# KiCad board fmc_memory_adapter.kicad_pcb
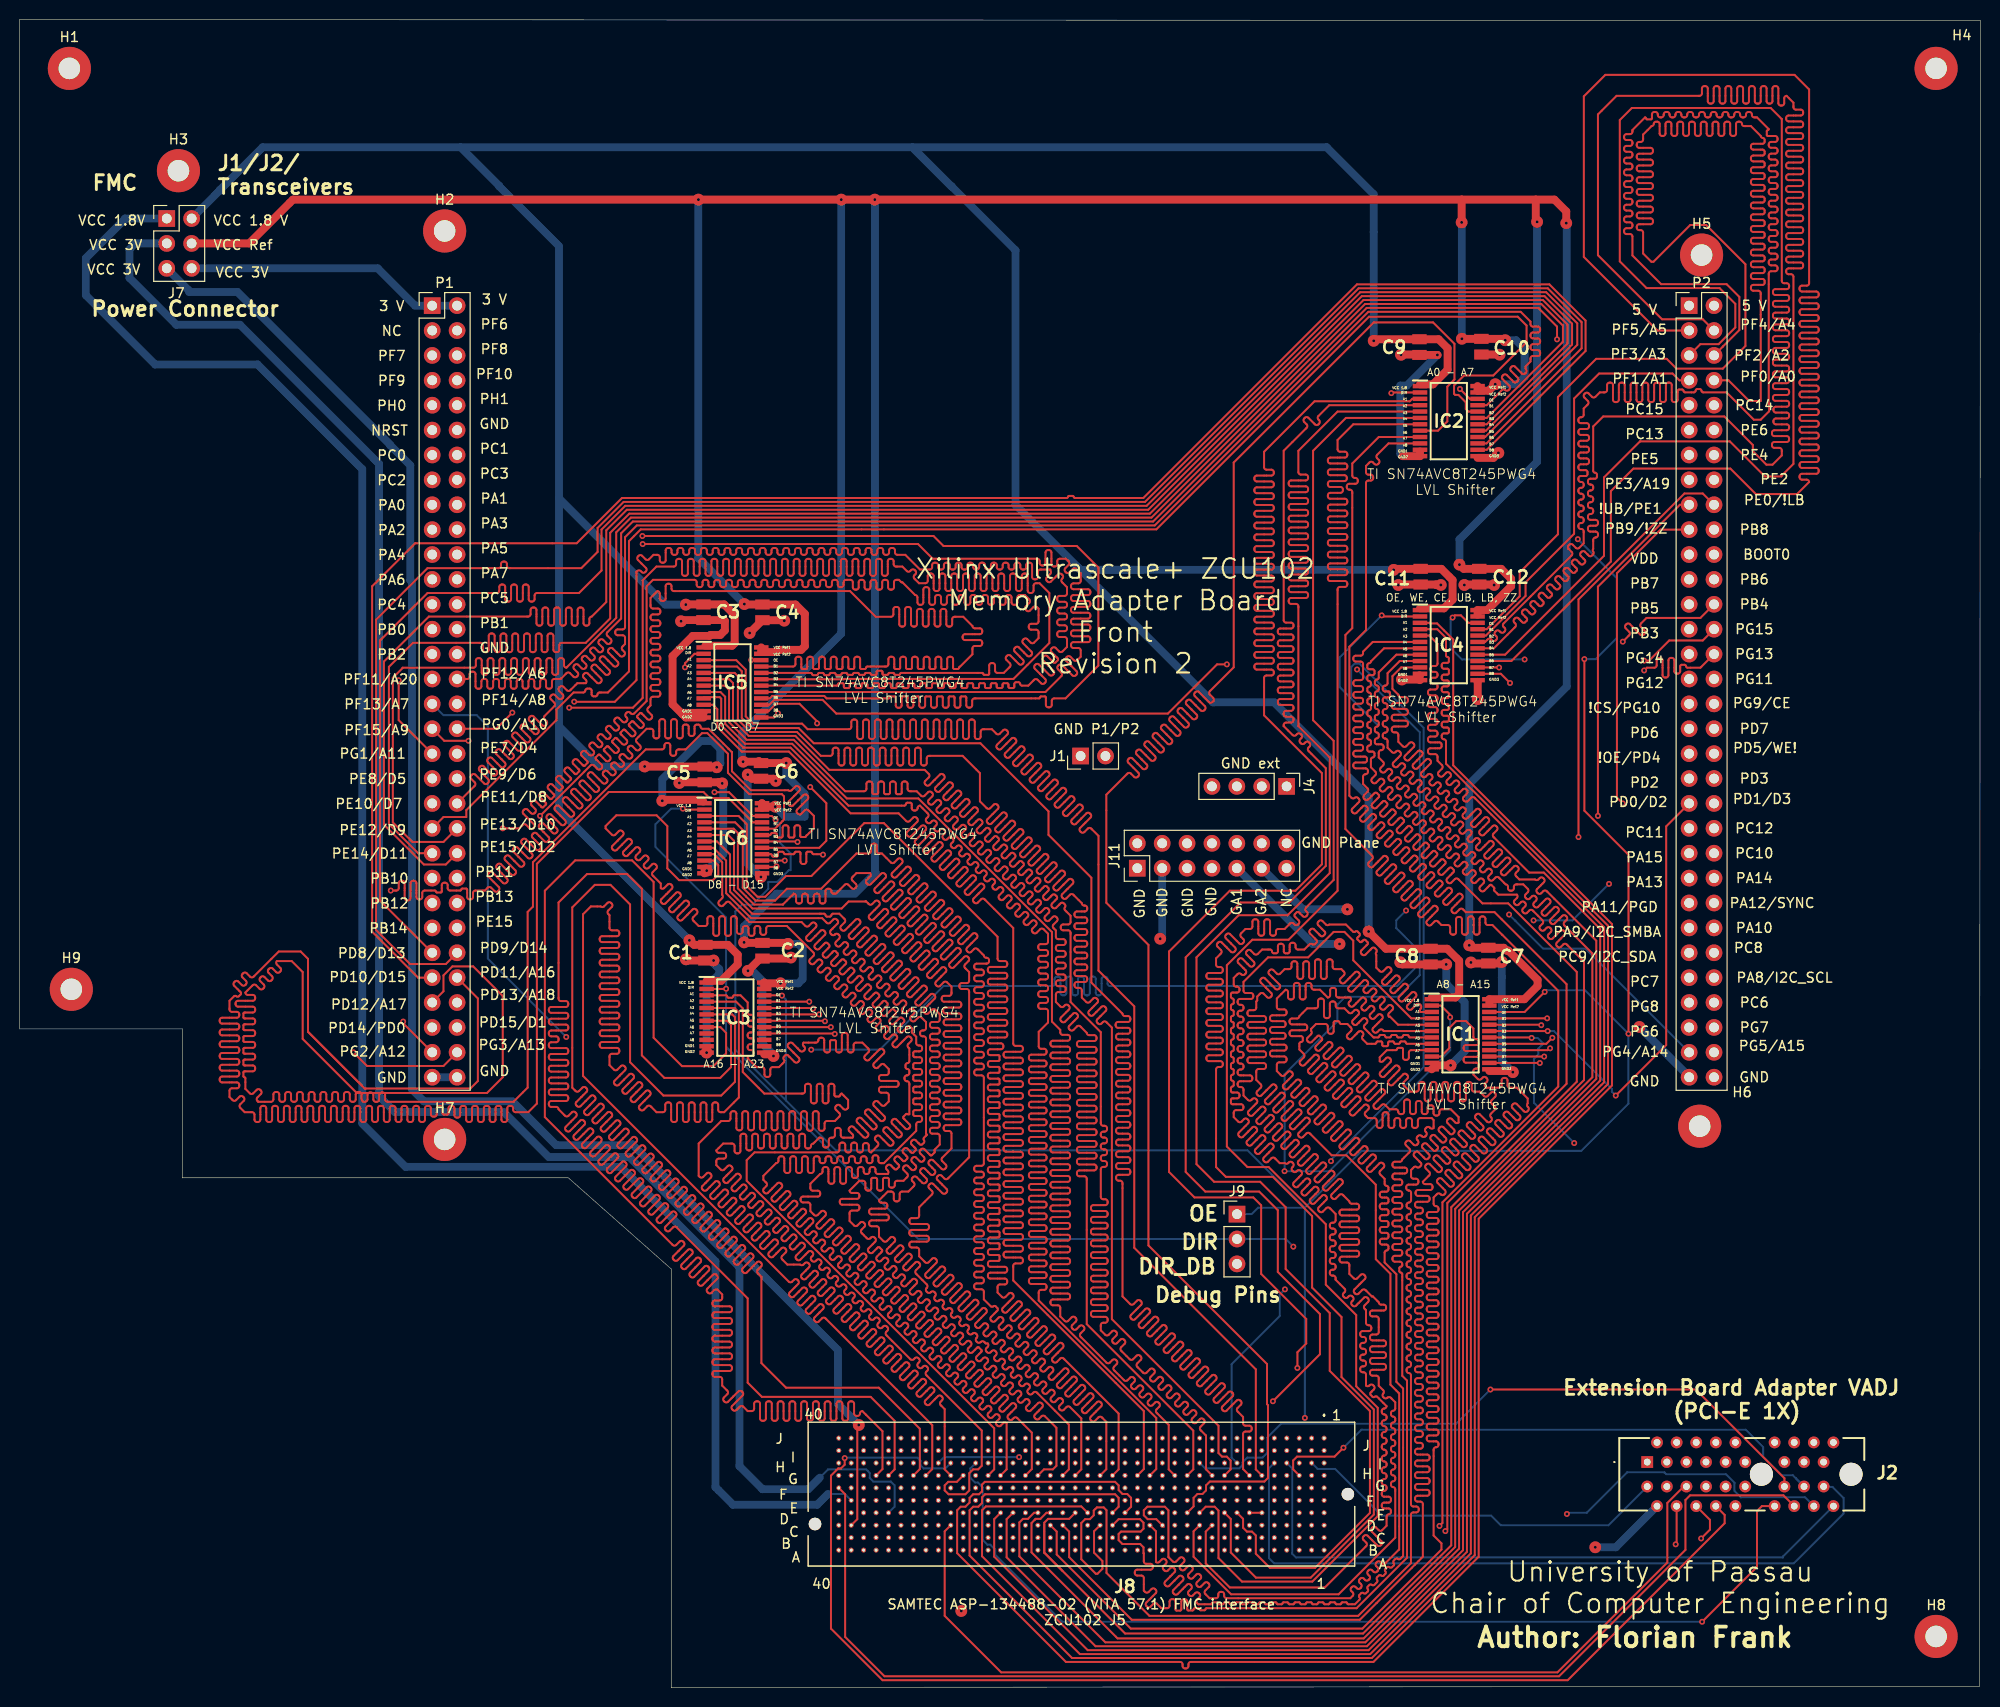
[diagram p0: board, top side]
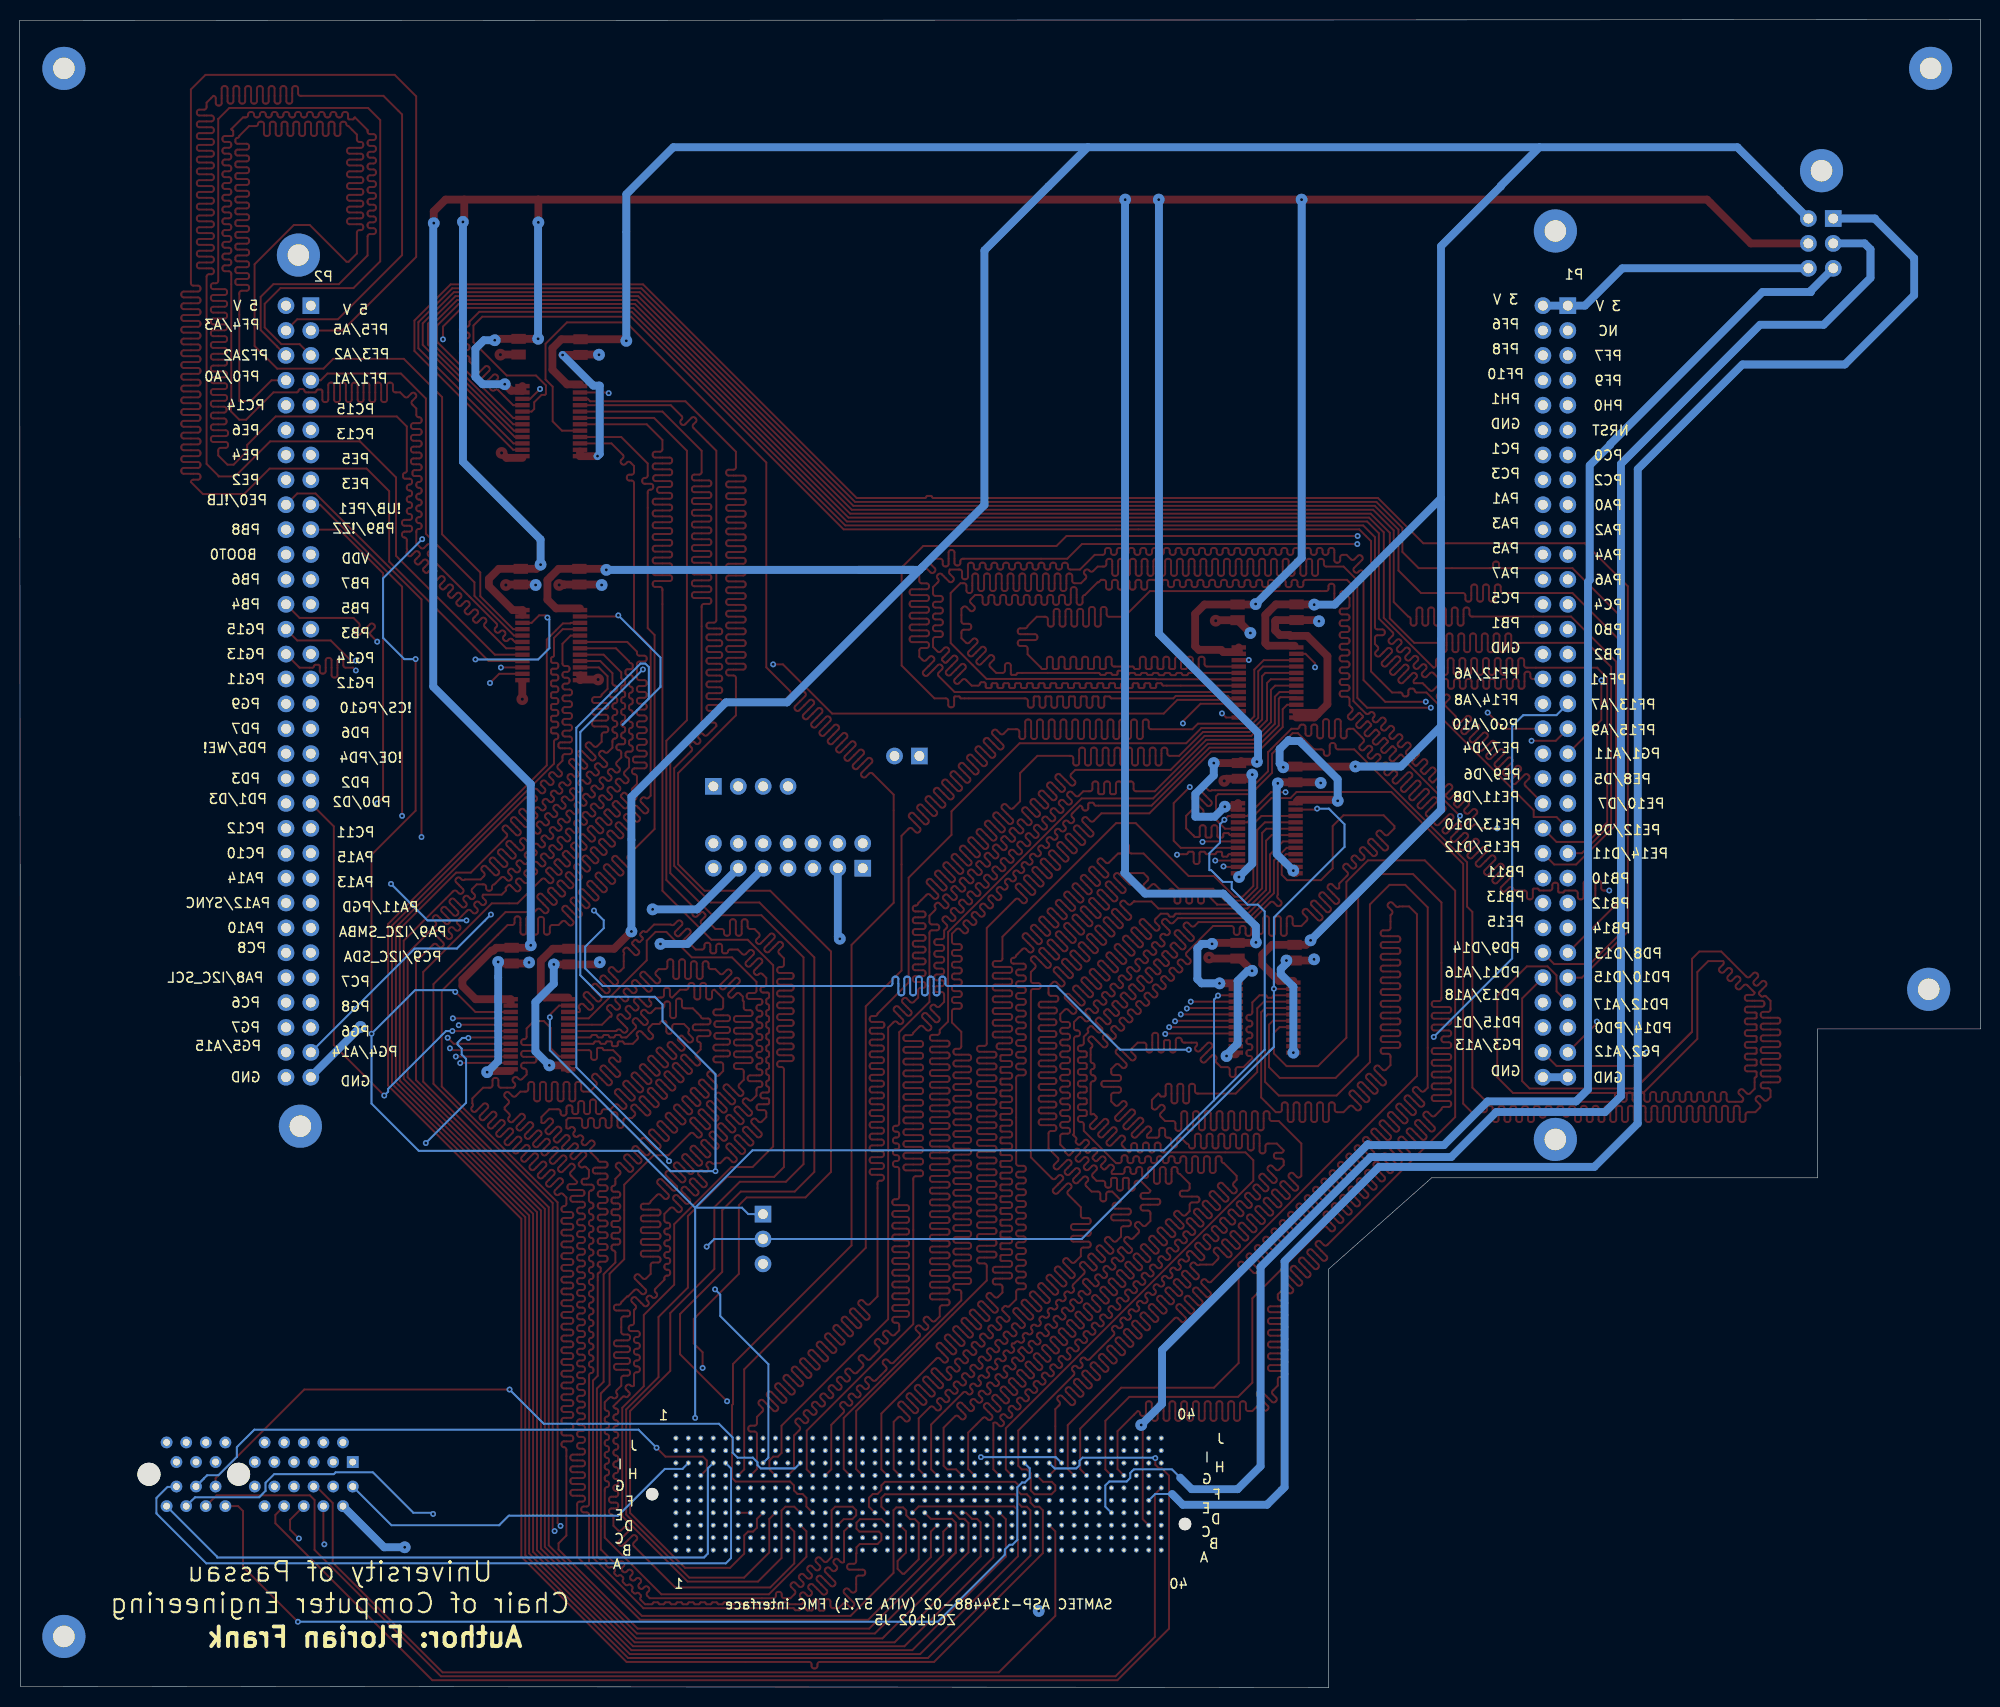
[diagram p1: board, bottom side, seen from below]

Outline 200.1 x 170.2 mm; copper layers: Top, In1.Cu, In2.Cu, Bottom. Coordinates in mm from the lower left corner of the outline.
Outline path: 0,170.2 0.1,170.2 200.1,170.1 200,0.1 66.5,0 66.5,42.7 56,52 16.6,52 16.6,67.2 0,67.2 0,170.2
Stack: Top 0.035mm / dielectric 0.1mm FR4 er 4.5 / In1.Cu 0.035mm / dielectric 1.24mm FR4 er 4.5 / In2.Cu 0.035mm / dielectric 0.1mm FR4 er 4.5 / Bottom 0.035mm

## Placement (name value [footprint] x y rotation side)
C1  C0805C104K5RAC7411  [CAPC2012X88N]  69.99 74.98 90 top
C2  C0805C104K5RAC7411  [CAPC2012X88N]  75.81 75.18 90 top
C3  C0805C104K5RAC7411  [CAPC2012X88N]  69.79 109.72 270 top
C4  C0805C104K5RAC7411  [CAPC2012X88N]  75.81 109.71 270 top
C5  C0805C104K5RAC7411  [CAPC2012X88N]  69.92 93.17 90 top
C6  C0805C104K5RAC7411  [CAPC2012X88N]  75.66 93.53 90 top
C7  C0805C104K5RAC7411  [CAPC2012X88N]  149.89 74.68 90 top
C8  C0805C104K5RAC7411  [CAPC2012X88N]  143.99 74.58 90 top
C9  C0805C104K5RAC7411  [CAPC2012X88N]  142.86 136.78 90 top
C10  C0805C104K5RAC7411  [CAPC2012X88N]  149.18 136.82 90 top
C11  C0805C104K5RAC7411  [CAPC2012X88N]  142.98 113.35 90 top
C12  C0805C104K5RAC7411  [CAPC2012X88N]  148.96 113.35 90 top
H1  MountingHole  [MountingHole_2.2mm_M2_Pad_TopBottom]  5.08 165.22 0 top
H2  MountingHole  [MountingHole_2.2mm_M2_Pad_TopBottom]  43.38 148.63 0 top
H3  MountingHole  [MountingHole_2.2mm_M2_Pad_TopBottom]  16.21 154.78 0 top
H4  MountingHole  [MountingHole_2.2mm_M2_Pad_TopBottom]  195.58 165.22 0 top
H5  MountingHole  [MountingHole_2.2mm_M2_Pad_TopBottom]  171.65 146.17 0 top
H6  MountingHole  [MountingHole_2.2mm_M2_Pad_TopBottom]  171.45 57.27 0 top
H7  MountingHole  [MountingHole_2.2mm_M2_Pad_TopBottom]  43.38 55.92 0 top
H8  MountingHole  [MountingHole_2.2mm_M2_Pad_TopBottom]  195.58 5.2 0 top
H9  MountingHole  [MountingHole_2.2mm_M2_Pad_TopBottom]  5.28 71.24 0 top
IC1  SN74AVC8T245PWG4  [SOP65P640X120-24N]  147.05 66.65 0 top
IC2  SN74AVC8T245PWG4  [SOP65P640X120-24N]  145.85 129.22 0 top
IC3  SN74AVC8T245PWG4  [SOP65P640X120-24N]  73.05 68.35 0 top
IC4  SN74AVC8T245PWG4  [SOP65P640X120-24N]  145.85 106.36 0 top
IC5  SN74AVC8T245PWG4  [SOP65P640X120-24N]  72.75 102.55 0 top
IC6  SN74AVC8T245PWG4  [SOP65P640X120-24N]  72.82 86.65 0 top
J1  GND_Jumper1  [PinHeader_1x02_P2.54mm_Vertical]  108.27 95.05 90 top
J2  PCI-E Extension/Debug Socket  [PCIE_1001878310010TLF]  166.1 23 0 top
J4  Conn_01x04_Pin  [PinHeader_1x04_P2.54mm_Vertical]  129.3 91.95 270 top
J7  Conn_02x03_Odd_Even  [PinHeader_2x03_P2.54mm_Vertical]  15.02 149.9 0 top
J8  ASP-134488-02  [ASP13448802]  108.36 19.72 0 top
J9  Conn_01x03  [PinHeader_1x03_P2.54mm_Vertical]  124.24 48.3 0 top
J11  Conn_02x07_Odd_Even  [PinHeader_2x07_P2.54mm_Vertical]  114.06 83.6 90 top
P1  CONN_02X32_DISCO1_LEFT_BACK  [PinHeader_2x32_P2.54mm_Vertical]  42.11 141.01 0 top
P2  CONN_02X32_DISCO1_RIGHT_BACK  [PinHeader_2x32_P2.54mm_Vertical]  170.38 141.01 0 top

## Library data of the parts
C1-C12 = -: Datasheet: https://www.mouser.com/datasheet/2/212/KEM_C1002_X7R_SMD-1102033.pdf; Description: Cap Ceramic 0.1uF 50V X7R 10% Pad SMD 0805 125C T/R; Height: 0.88; Manufacturer_Name: KEMET; Mouser Part Number: 80-C0805C104K5RACLR; Mouser Price/Stock: https://www.mouser.co.uk/ProductDetail/KEMET/C0805C104K5RAC7411?qs=jbRM9o5BbzPcVXF0wW9AYg%3D%3D; Arrow Price/Stock: https://www.arrow.com/en/products/c0805c104k5rac7411/kemet-corporation
H1-H9 = -: Description: Mounting Hole without connection; ki_fp_filters: MountingHole*
IC1-IC6 = -: Datasheet: https://www.ti.com/general/docs/suppproductinfo.tsp?distId=26&gotoUrl=http%253A%252F%252Fwww.ti.com%252Flit%252Fgpn%252Fsn74avc8t245; Description: Translation - Voltage Levels 8B Dual Supply Bus Trancvr; Height: 1.2; Manufacturer_Name: Texas Instruments; Mouser Part Number: 595-SN74AVC8T245PWG4; Mouser Price/Stock: https://www.mouser.co.uk/ProductDetail/Texas-Instruments/SN74AVC8T245PWG4?qs=Yg0HTW50OtDN8IadB9TEVw%3D%3D; Arrow Price/Stock: https://www.arrow.com/en/products/sn74avc8t245pwg4/texas-instruments
J1 = -: Description: Generic connector, double row, 02x01, this symbol is compatible with counter-clockwise, top-bottom and odd-even numbering schemes., script generated (kicad-library-utils/schlib/autogen/connector/); ki_fp_filters: Connector*:*_2x??_*
J4 = -: Description: Generic connector, single row, 01x04, script generated; ki_fp_filters: Connector*:*_1x??_*
J7 = -: Description: Generic connector, double row, 02x03, odd/even pin numbering scheme (row 1 odd numbers, row 2 even numbers), script generated (kicad-library-utils/schlib/autogen/connector/); ki_fp_filters: Connector*:*_2x??_*
J8 = -: Datasheet: http://suddendocs.samtec.com/prints/asp-134488-02-mkt.pdf; Description: Board to Board & Mezzanine Connectors; Height: 7.11; Manufacturer_Name: SAMTEC; Mouser Part Number: 200-ASP-134488-02; Mouser Price/Stock: https://www.mouser.co.uk/ProductDetail/Samtec/ASP-134488-02?qs=vLWxofP3U2yWlthzN6h9gg%3D%3D; Arrow Price/Stock: https://www.arrow.com/en/products/asp-134488-02/samtec?region=nac
J9 = -: Description: Generic connector, single row, 01x03, script generated (kicad-library-utils/schlib/autogen/connector/); ki_fp_filters: Connector*:*_1x??_*
J11 = -: Description: Generic connector, double row, 02x07, odd/even pin numbering scheme (row 1 odd numbers, row 2 even numbers), script generated (kicad-library-utils/schlib/autogen/connector/); ki_fp_filters: Connector*:*_2x??_*
P1 P2 = -: ki_fp_filters: Pin_Header_Straight_2X32 Pin_Header_Angled_2X32 Socket_Strip_Straight_2X32 Socket_Strip_Angled_2X32

## Footprints (pads in the part's own frame, mm; a bottom-side part is the same pattern mirrored in y, then rotated)
ASP13448802
  round 1.27 hole 1.27 unplated: (-27.19,-3.05) (27.19,0)
  round 0.5 hole 0.3: A1(24.765,-5.715) A2(23.495,-5.715) A3(22.225,-5.715) A4(20.955,-5.715) A5(19.685,-5.715) A6(18.415,-5.715) A7(17.145,-5.715) A8(15.875,-5.715) A9(14.605,-5.715) A10(13.335,-5.715) A11(12.065,-5.715) A12(10.795,-5.715) A13(9.525,-5.715) A14(8.255,-5.715) A15(6.985,-5.715) A16(5.715,-5.715) A17(4.445,-5.715) A18(3.175,-5.715) A19(1.905,-5.715) A20(0.635,-5.715) A21(-0.635,-5.715) A22(-1.905,-5.715) A23(-3.175,-5.715) A24(-4.445,-5.715) A25(-5.715,-5.715) A26(-6.985,-5.715) A27(-8.255,-5.715) A28(-9.525,-5.715) A29(-10.795,-5.715) A30(-12.065,-5.715) A31(-13.335,-5.715) A32(-14.605,-5.715) A33(-15.875,-5.715) A34(-17.145,-5.715) A35(-18.415,-5.715) A36(-19.685,-5.715) A37(-20.955,-5.715) A38(-22.225,-5.715) A39(-23.495,-5.715) A40(-24.765,-5.715) B1(24.765,-4.445) B2(23.495,-4.445) B3(22.225,-4.445) B4(20.955,-4.445) B5(19.685,-4.445) B6(18.415,-4.445) B7(17.145,-4.445) B8(15.875,-4.445) B9(14.605,-4.445) B10(13.335,-4.445) B11(12.065,-4.445) B12(10.795,-4.445) B13(9.525,-4.445) B14(8.255,-4.445) B15(6.985,-4.445) B16(5.715,-4.445) B17(4.445,-4.445) B18(3.175,-4.445) B19(1.905,-4.445) B20(0.635,-4.445) B21(-0.635,-4.445) B22(-1.905,-4.445) B23(-3.175,-4.445) B24(-4.445,-4.445) B25(-5.715,-4.445) B26(-6.985,-4.445) B27(-8.255,-4.445) B28(-9.525,-4.445) B29(-10.795,-4.445) B30(-12.065,-4.445) B31(-13.335,-4.445) B32(-14.605,-4.445) B33(-15.875,-4.445) B34(-17.145,-4.445) B35(-18.415,-4.445) B36(-19.685,-4.445) B37(-20.955,-4.445) B38(-22.225,-4.445) B39(-23.495,-4.445) B40(-24.765,-4.445) C1(24.765,-3.175) C2(23.495,-3.175) C3(22.225,-3.175) C4(20.955,-3.175) C5(19.685,-3.175) C6(18.415,-3.175) C7(17.145,-3.175) C8(15.875,-3.175) C9(14.605,-3.175) C10(13.335,-3.175) C11(12.065,-3.175) C12(10.795,-3.175) C13(9.525,-3.175) C14(8.255,-3.175) C15(6.985,-3.175) C16(5.715,-3.175) C17(4.445,-3.175) C18(3.175,-3.175) C19(1.905,-3.175) C20(0.635,-3.175) C21(-0.635,-3.175) C22(-1.905,-3.175) C23(-3.175,-3.175) C24(-4.445,-3.175) C25(-5.715,-3.175) C26(-6.985,-3.175) C27(-8.255,-3.175) C28(-9.525,-3.175) C29(-10.795,-3.175) C30(-12.065,-3.175) C31(-13.335,-3.175) C32(-14.605,-3.175) C33(-15.875,-3.175) C34(-17.145,-3.175) C35(-18.415,-3.175) C36(-19.685,-3.175) C37(-20.955,-3.175) C38(-22.225,-3.175) C39(-23.495,-3.175) C40(-24.765,-3.175) D1(24.765,-1.905) D2(23.495,-1.905) D3(22.225,-1.905) D4(20.955,-1.905) D5(19.685,-1.905) D6(18.415,-1.905) D7(17.145,-1.905) D8(15.875,-1.905) D9(14.605,-1.905) D10(13.335,-1.905) D11(12.065,-1.905) D12(10.795,-1.905) D13(9.525,-1.905) D14(8.255,-1.905) D15(6.985,-1.905) D16(5.715,-1.905) D17(4.445,-1.905) D18(3.175,-1.905) D19(1.905,-1.905) D20(0.635,-1.905) D21(-0.635,-1.905) D22(-1.905,-1.905) D23(-3.175,-1.905) D24(-4.445,-1.905) D25(-5.715,-1.905) D26(-6.985,-1.905) D27(-8.255,-1.905) D28(-9.525,-1.905) D29(-10.795,-1.905) D30(-12.065,-1.905) D31(-13.335,-1.905) D32(-14.605,-1.905) D33(-15.875,-1.905) D34(-17.145,-1.905) D35(-18.415,-1.905) D36(-19.685,-1.905) D37(-20.955,-1.905) D38(-22.225,-1.905) D39(-23.495,-1.905) D40(-24.765,-1.905) E1(24.765,-0.635) E2(23.495,-0.635) E3(22.225,-0.635) E4(20.955,-0.635) E5(19.685,-0.635) E6(18.415,-0.635) E7(17.145,-0.635) E8(15.875,-0.635) E9(14.605,-0.635) E10(13.335,-0.635) E11(12.065,-0.635) E12(10.795,-0.635) E13(9.525,-0.635) E14(8.255,-0.635) E15(6.985,-0.635) E16(5.715,-0.635) E17(4.445,-0.635) E18(3.175,-0.635) E19(1.905,-0.635) E20(0.635,-0.635) E21(-0.635,-0.635) E22(-1.905,-0.635) E23(-3.175,-0.635) E24(-4.445,-0.635) E25(-5.715,-0.635) E26(-6.985,-0.635) E27(-8.255,-0.635) E28(-9.525,-0.635) E29(-10.795,-0.635) E30(-12.065,-0.635) E31(-13.335,-0.635) E32(-14.605,-0.635) E33(-15.875,-0.635) E34(-17.145,-0.635) E35(-18.415,-0.635) E36(-19.685,-0.635) E37(-20.955,-0.635) E38(-22.225,-0.635) E39(-23.495,-0.635) E40(-24.765,-0.635) F1(24.765,0.635) F2(23.495,0.635) F3(22.225,0.635) F4(20.955,0.635) F5(19.685,0.635) F6(18.415,0.635) F7(17.145,0.635) F8(15.875,0.635) F9(14.605,0.635) F10(13.335,0.635) F11(12.065,0.635) F12(10.795,0.635) F13(9.525,0.635) F14(8.255,0.635) F15(6.985,0.635) F16(5.715,0.635) F17(4.445,0.635) F18(3.175,0.635) F19(1.905,0.635) F20(0.635,0.635) F21(-0.635,0.635) F22(-1.905,0.635) F23(-3.175,0.635) F24(-4.445,0.635) F25(-5.715,0.635) F26(-6.985,0.635) F27(-8.255,0.635) F28(-9.525,0.635) F29(-10.795,0.635) F30(-12.065,0.635) F31(-13.335,0.635) F32(-14.605,0.635) F33(-15.875,0.635) F34(-17.145,0.635) F35(-18.415,0.635) F36(-19.685,0.635) F37(-20.955,0.635) F38(-22.225,0.635) F39(-23.495,0.635) F40(-24.765,0.635) G1(24.765,1.905) G2(23.495,1.905) G3(22.225,1.905) G4(20.955,1.905) G5(19.685,1.905) G6(18.415,1.905) G7(17.145,1.905) G8(15.875,1.905) G9(14.605,1.905) G10(13.335,1.905) G11(12.065,1.905) G12(10.795,1.905) G13(9.525,1.905) G14(8.255,1.905) G15(6.985,1.905) G16(5.715,1.905) G17(4.445,1.905) G18(3.175,1.905) G19(1.905,1.905) G20(0.635,1.905) G21(-0.635,1.905) G22(-1.905,1.905) G23(-3.175,1.905) G24(-4.445,1.905) G25(-5.715,1.905) G26(-6.985,1.905) G27(-8.255,1.905) G28(-9.525,1.905) G29(-10.795,1.905) G30(-12.065,1.905) G31(-13.335,1.905) G32(-14.605,1.905) G33(-15.875,1.905) G34(-17.145,1.905) G35(-18.415,1.905) G36(-19.685,1.905) G37(-20.955,1.905) G38(-22.225,1.905) G39(-23.495,1.905) G40(-24.765,1.905) H1(24.765,3.175) H2(23.495,3.175) H3(22.225,3.175) H4(20.955,3.175) H5(19.685,3.175) H6(18.415,3.175) H7(17.145,3.175) H8(15.875,3.175) H9(14.605,3.175) H10(13.335,3.175) H11(12.065,3.175) H12(10.795,3.175) H13(9.525,3.175) H14(8.255,3.175) H15(6.985,3.175) H16(5.715,3.175) H17(4.445,3.175) H18(3.175,3.175) H19(1.905,3.175) H20(0.635,3.175) H21(-0.635,3.175) H22(-1.905,3.175) H23(-3.175,3.175) H24(-4.445,3.175) H25(-5.715,3.175) H26(-6.985,3.175) H27(-8.255,3.175) H28(-9.525,3.175) H29(-10.795,3.175) H30(-12.065,3.175) H31(-13.335,3.175) H32(-14.605,3.175) H33(-15.875,3.175) H34(-17.145,3.175) H35(-18.415,3.175) H36(-19.685,3.175) H37(-20.955,3.175) H38(-22.225,3.175) H39(-23.495,3.175) H40(-24.765,3.175) J1(24.765,4.445) J2(23.495,4.445) J3(22.225,4.445) J4(20.955,4.445) J5(19.685,4.445) J6(18.415,4.445) J7(17.145,4.445) J8(15.875,4.445) J9(14.605,4.445) J10(13.335,4.445) J11(12.065,4.445) J12(10.795,4.445) J13(9.525,4.445) J14(8.255,4.445) J15(6.985,4.445) J16(5.715,4.445) J17(4.445,4.445) J18(3.175,4.445) J19(1.905,4.445) J20(0.635,4.445) J21(-0.635,4.445) J22(-1.905,4.445) J23(-3.175,4.445) J24(-4.445,4.445) J25(-5.715,4.445) J26(-6.985,4.445) J27(-8.255,4.445) J28(-9.525,4.445) J29(-10.795,4.445) J30(-12.065,4.445) J31(-13.335,4.445) J32(-14.605,4.445) J33(-15.875,4.445) J34(-17.145,4.445) J35(-18.415,4.445) J36(-19.685,4.445) J37(-20.955,4.445) J38(-22.225,4.445) J39(-23.495,4.445) J40(-24.765,4.445) K1(24.765,5.715) K2(23.495,5.715) K3(22.225,5.715) K4(20.955,5.715) K5(19.685,5.715) K6(18.415,5.715) K7(17.145,5.715) K8(15.875,5.715) K9(14.605,5.715) K10(13.335,5.715) K11(12.065,5.715) K12(10.795,5.715) K13(9.525,5.715) K14(8.255,5.715) K15(6.985,5.715) K16(5.715,5.715) K17(4.445,5.715) K18(3.175,5.715) K19(1.905,5.715) K20(0.635,5.715) K21(-0.635,5.715) K22(-1.905,5.715) K23(-3.175,5.715) K24(-4.445,5.715) K25(-5.715,5.715) K26(-6.985,5.715) K27(-8.255,5.715) K28(-9.525,5.715) K29(-10.795,5.715) K30(-12.065,5.715) K31(-13.335,5.715) K32(-14.605,5.715) K33(-15.875,5.715) K34(-17.145,5.715) K35(-18.415,5.715) K36(-19.685,5.715) K37(-20.955,5.715) K38(-22.225,5.715) K39(-23.495,5.715) K40(-24.765,5.715)
CAPC2012X88N
  rect 1.02x1.47 smd: 1(-0.8,0) 2(0.8,0)
MountingHole_2.2mm_M2_Pad_TopBottom
  round 2.6 hole 2.2: 1(0,0)
  round 4.4 smd: 1(0,0)
  round 4.4 smd far side: 1(0,0)
PCIE_1001878310010TLF
  round 2.35 hole 2.35 unplated: (11.65,-1.25) (20.8,-1.25)
  rect 1.2x1.2 hole 0.7: A1(0,0)
  round 1.2 hole 0.7: A2(1,2) A3(2,0) A4(3,2) A5(4,0) A6(5,2) A7(6,0) A8(7,2) A9(8,0) A10(9,2) A11(10,0) A12(13,2) A13(14,0) A14(15,2) A15(16,0) A16(17,2) A17(18,0) A18(19,2) B1(0,-2.5) B2(1,-4.5) B3(2,-2.5) B4(3,-4.5) B5(4,-2.5) B6(5,-4.5) B7(6,-2.5) B8(7,-4.5) B9(8,-2.5) B10(9,-4.5) B11(10,-2.5) B12(13,-4.5) B13(14,-2.5) B14(15,-4.5) B15(16,-2.5) B16(17,-4.5) B17(18,-2.5) B18(19,-4.5)
PinHeader_1x02_P2.54mm_Vertical
  rect 1.7x1.7 hole 1: 1(0,0)
  oval 1.7x1.7 hole 1: 2(0,-2.54)
PinHeader_1x03_P2.54mm_Vertical
  rect 1.7x1.7 hole 1: 1(0,0)
  oval 1.7x1.7 hole 1: 2(0,-2.54) 3(0,-5.08)
PinHeader_1x04_P2.54mm_Vertical
  rect 1.7x1.7 hole 1: 1(0,0)
  oval 1.7x1.7 hole 1: 2(0,-2.54) 3(0,-5.08) 4(0,-7.62)
PinHeader_2x03_P2.54mm_Vertical
  rect 1.7x1.7 hole 1: 1(0,0)
  oval 1.7x1.7 hole 1: 2(2.54,0) 3(0,-2.54) 4(2.54,-2.54) 5(0,-5.08) 6(2.54,-5.08)
PinHeader_2x07_P2.54mm_Vertical
  rect 1.7x1.7 hole 1: 1(0,0)
  oval 1.7x1.7 hole 1: 2(2.54,0) 3(0,-2.54) 4(2.54,-2.54) 5(0,-5.08) 6(2.54,-5.08) 7(0,-7.62) 8(2.54,-7.62) 9(0,-10.16) 10(2.54,-10.16) 11(0,-12.7) 12(2.54,-12.7) 13(0,-15.24) 14(2.54,-15.24)
PinHeader_2x32_P2.54mm_Vertical
  rect 1.7x1.7 hole 1: 1(0,0)
  oval 1.7x1.7 hole 1: 2(2.54,0) 3(0,-2.54) 4(2.54,-2.54) 5(0,-5.08) 6(2.54,-5.08) 7(0,-7.62) 8(2.54,-7.62) 9(0,-10.16) 10(2.54,-10.16) 11(0,-12.7) 12(2.54,-12.7) 13(0,-15.24) 14(2.54,-15.24) 15(0,-17.78) 16(2.54,-17.78) 17(0,-20.32) 18(2.54,-20.32) 19(0,-22.86) 20(2.54,-22.86) 21(0,-25.4) 22(2.54,-25.4) 23(0,-27.94) 24(2.54,-27.94) 25(0,-30.48) 26(2.54,-30.48) 27(0,-33.02) 28(2.54,-33.02) 29(0,-35.56) 30(2.54,-35.56) 31(0,-38.1) 32(2.54,-38.1) 33(0,-40.64) 34(2.54,-40.64) 35(0,-43.18) 36(2.54,-43.18) 37(0,-45.72) 38(2.54,-45.72) 39(0,-48.26) 40(2.54,-48.26) 41(0,-50.8) 42(2.54,-50.8) 43(0,-53.34) 44(2.54,-53.34) 45(0,-55.88) 46(2.54,-55.88) 47(0,-58.42) 48(2.54,-58.42) 49(0,-60.96) 50(2.54,-60.96) 51(0,-63.5) 52(2.54,-63.5) 53(0,-66.04) 54(2.54,-66.04) 55(0,-68.58) 56(2.54,-68.58) 57(0,-71.12) 58(2.54,-71.12) 59(0,-73.66) 60(2.54,-73.66) 61(0,-76.2) 62(2.54,-76.2) 63(0,-78.74) 64(2.54,-78.74)
SOP65P640X120-24N
  rect 1.475x0.45 smd: 1(-2.938,3.575) 2(-2.938,2.925) 3(-2.938,2.275) 4(-2.938,1.625) 5(-2.938,0.975) 6(-2.938,0.325) 7(-2.938,-0.325) 8(-2.938,-0.975) 9(-2.938,-1.625) 10(-2.938,-2.275) 11(-2.938,-2.925) 12(-2.938,-3.575) 13(2.938,-3.575) 14(2.938,-2.925) 15(2.938,-2.275) 16(2.938,-1.625) 17(2.938,-0.975) 18(2.938,-0.325) 19(2.938,0.325) 20(2.938,0.975) 21(2.938,1.625) 22(2.938,2.275) 23(2.938,2.925) 24(2.938,3.575)

## Nets
GND: C1.1 C2.1 C3.2 C4.2 C5.1 C6.1 C7.1 C8.1 C9.1 C10.1 C11.1 C12.1 IC1.11 IC1.12 IC1.13 IC2.11 IC2.12 IC2.13 IC3.11 IC3.12 IC3.13 IC4.11 IC4.12 IC4.13 IC5.11 IC5.12 IC5.13 IC6.11 IC6.12 IC6.13 J4.1 J4.2 J4.3 J4.4 J8.A12 J8.A13 J8.A16 J8.A17 J11.2 J11.4 J11.5 J11.6 J11.7 J11.8 J11.10 J11.12 J11.14
Net-(IC1-A1): IC1.3 J8.C10
Net-(IC1-A2): IC1.4 J8.C11
Net-(IC1-A3): IC1.5 J8.C14
Net-(IC1-A4): IC1.6 J8.C15
Net-(IC1-A5): IC1.7 J8.C18
Net-(IC1-A6): IC1.8 J8.C19
Net-(IC1-A7): IC1.9 J8.C22
Net-(IC1-A8): IC1.10 J8.C23
Net-(IC1-B1): IC1.21 P1.59
Net-(IC1-B2): IC1.20 P1.60
Net-(IC1-B3): IC1.19 P2.41
Net-(IC1-B4): IC1.18 P2.42
Net-(IC1-B5): IC1.17 P1.38
Net-(IC1-B6): IC1.16 P1.39
Net-(IC1-B7): IC1.15 P1.40
Net-(IC1-B8): IC1.14 P1.41
Net-(IC1-DIR): IC1.2 IC2.2 J8.H8 J9.3
Net-(IC1-VCCA): C1.2 C3.1 C5.2 C8.2 C9.2 C11.2 IC1.1 IC2.1 IC3.1 IC4.1 IC5.1 IC6.1 J7.2
Net-(IC1-VCCB_1): C2.2 C4.1 C6.2 C7.2 C10.2 C12.2 IC1.23 IC1.24 IC2.23 IC2.24 IC3.23 IC3.24 IC4.23 IC4.24 IC5.23 IC5.24 IC6.23 IC6.24 J7.4
Net-(IC1-~{OE}): IC1.22 IC2.22 IC3.22 IC4.22 IC5.22 IC6.22 J8.H7 J9.1
Net-(IC2-A1): IC2.3 J8.C26
Net-(IC2-A2): IC2.4 J8.C27
Net-(IC2-A3): IC2.5 J8.D8
Net-(IC2-A4): IC2.6 J8.D9
Net-(IC2-A5): IC2.7 J8.D11
Net-(IC2-A6): IC2.8 J8.D12
Net-(IC2-A7): IC2.9 J8.D14
Net-(IC2-A8): IC2.10 J8.D15
Net-(IC2-B1): IC2.21 P1.42
Net-(IC2-B2): IC2.20 P1.43
Net-(IC2-B3): IC2.19 P1.44
Net-(IC2-B4): IC2.18 P1.45
Net-(IC2-B5): IC2.17 P1.46
Net-(IC2-B6): IC2.16 P1.53
Net-(IC2-B7): IC2.15 P1.54
Net-(IC2-B8): IC2.14 P1.55
Net-(IC3-A1): IC3.3 J8.G30
Net-(IC3-A2): IC3.4 J8.G31
Net-(IC3-A3): IC3.5 J8.G33
Net-(IC3-A4): IC3.6 J8.G34
Net-(IC3-A5): IC3.7 J8.G36
Net-(IC3-A6): IC3.8 J8.G37
Net-(IC3-B1): IC3.21 P2.37
Net-(IC3-B2): IC3.20 P2.38
Net-(IC3-B3): IC3.19 P2.34
Net-(IC3-B4): IC3.18 P2.18
Net-(IC3-B5): IC3.17 P2.17
Net-(IC3-B6): IC3.16 P2.19
Net-(IC3-DIR): IC3.2 IC4.2 IC5.2 IC6.2 J8.H10 J9.2
Net-(IC4-A1): IC4.3 J8.D17
Net-(IC4-A2): IC4.4 J8.D18
Net-(IC4-A3): IC4.5 J8.D20
Net-(IC4-A4): IC4.6 J8.D21
Net-(IC4-A5): IC4.7 J8.D23
Net-(IC4-A6): IC4.8 J8.D24
Net-(IC4-A7): IC4.9 J8.D26
Net-(IC4-A8): IC4.10 J8.D27
Net-(IC4-B1): IC4.21 P2.8
Net-(IC4-B2): IC4.20 P2.7
Net-(IC4-B3): IC4.19 P2.6
Net-(IC4-B4): IC4.18 P2.5
Net-(IC4-B5): IC4.17 P2.4
Net-(IC4-B6): IC4.16 P2.3
Net-(IC4-B7): IC4.15 P1.32
Net-(IC4-B8): IC4.14 P1.33
Net-(IC5-A1): IC5.3 J8.G6
Net-(IC5-A2): IC5.4 J8.G7
Net-(IC5-A3): IC5.5 J8.G9
Net-(IC5-A4): IC5.6 J8.G10
Net-(IC5-A5): IC5.7 J8.G12
Net-(IC5-A6): IC5.8 J8.G13
Net-(IC5-A7): IC5.9 J8.G15
Net-(IC5-A8): IC5.10 J8.G16
Net-(IC5-B1): IC5.21 P1.34
Net-(IC5-B2): IC5.20 P1.35
Net-(IC5-B3): IC5.19 P1.36
Net-(IC5-B4): IC5.18 P1.37
Net-(IC5-B5): IC5.17 P1.61
Net-(IC5-B6): IC5.16 P1.62
Net-(IC5-B7): IC5.15 P2.61
Net-(IC5-B8): IC5.14 P2.62
Net-(IC6-A1): IC6.3 J8.G18
Net-(IC6-A2): IC6.4 J8.G19
Net-(IC6-A3): IC6.5 J8.G21
Net-(IC6-A4): IC6.6 J8.G22
Net-(IC6-A5): IC6.7 J8.G24
Net-(IC6-A6): IC6.8 J8.G25
Net-(IC6-A7): IC6.9 J8.G27
Net-(IC6-A8): IC6.10 J8.G28
Net-(IC6-B1): IC6.21 P1.56
Net-(IC6-B2): IC6.20 P1.57
Net-(IC6-B3): IC6.19 P1.58
Net-(IC6-B4): IC6.18 P2.15
Net-(IC6-B5): IC6.17 P1.31
Net-(IC6-B6): IC6.16 P2.30
Net-(IC6-B7): IC6.15 P2.28
Net-(IC6-B8): IC6.14 P2.26
Net-(J1-Pin_1): J1.1 J8.A1 J8.A4 J8.A5
Net-(J1-Pin_2): J1.2 J11.1 P1.30 P1.63 P1.64 P2.63 P2.64
Net-(J2-PadB1): J2.B1 J8.H2
Net-(J2-PadB4): J2.B4 J8.C30
Net-(J2-PadB5): J2.B5 J8.C31
Net-(J2-PadB6): J2.B6 J8.D32
Net-(J2-PadB7): J2.B7 J8.D31
Net-(J2-PadB8): J2.B8 J8.H31
Net-(J2-PadB9): J2.B9 J8.H32
Net-(J2-PadB10): J2.B10 J2.B11 J8.D6 J8.D7
Net-(J2-PadB12): J2.B12 J8.H29
Net-(J2-PadB13): J2.B13 J8.H11
Net-(J2-PadB14): J2.B14 J8.F40
Net-(J2-PadB15): J2.B15 J8.G3
Net-(J2-PadB16): J2.B16 J8.G2
Net-(J2-PadB17): J2.B17 J8.H5
Net-(J2-PadB18): J2.B18 J8.H4
Net-(J7-Pin_1): J7.1 J8.E39
Net-(J7-Pin_3): J7.3 J8.D36
Net-(J7-Pin_5): J7.5 J8.C39
Net-(J7-Pin_6): J7.6 P1.1 P1.2
Net-(J11-Pin_3): J8.A8 J8.A9 J11.3
Net-(J11-Pin_9): J2.B3 J8.D35 J11.9
Net-(J11-Pin_11): J2.B2 J8.C34 J11.11

Pads without a net: H1 1; H2 1; H3 1; H4 1; H5 1; H6 1; H7 1; H8 1; H9 1; IC3 9 10 14 15; J2 A1 A2 A3 A4 A5 A6 A7 A8 A9 A10 A11 A12 A13 A14 A15 A16 A17 A18; J8 A2 A3 A6 A7 A10 A11 A14 A15 A18 A19 A20 A21 A22 A23 A24 A25 A26 A27 A28 A29 A30 A31 A32 A33 A34 A35 A36 A37 A38 A39 A40 B1 B2 B3 B4 B5 B6 B7 B8 B9 B10 B11 B12 B13 B14 B15 B16 B17 B18 B19 B20 B21 B22 B23 B24 B25 B26 B27 B28 B29 B30 B31 B32 B33 B34 B35 B36 B37 B38 B39 B40 C1 C2 C3 C4 C5 C6 C7 C8 C9 C12 C13 C16 C17 C20 C21 C24 C25 C28 C29 C32 C33 C35 C36 C37 C38 C40 D1 D2 D3 D4 D5 D10 D13 D16 D19 D22 D25 D28 D29 D30 D33 D34 D37 D38 D39 D40 E1 E2 E3 E4 E5 E6 E7 E8 E9 E10 E11 E12 E13 E14 E15 E16 E17 E18 E19 E20 E21 E22 E23 E24 E25 E26 E27 E28 E29 E30 E31 E32 E33 E34 E35 E36 E37 E38 E40 F1 F2 F3 F4 F5 F6 F7 F8 F9 F10 F11 F12 F13 F14 F15 F16 F17 F18 F19 F20 F21 F22 F23 F24 F25 F26 F27 F28 F29 F30 F31 F32 F33 F34 F35 F36 F37 F38 F39 G1 G4 G5 G8 G11 G14 G17 G20 G23 G26 G29 G32 G35 G38 G39 G40 H1 H3 H6 H9 H12 H13 H14 H15 H16 H17 H18 H19 H20 H21 H22 H23 H24 H25 H26 H27 H28 H30 H33 H34 H35 H36 H37 H38 H39 H40 J1 J2 J3 J4 J5 J6 J7 J8 J9 J10 J11 J12 J13 J14 J15 J16 J17 J18 J19 J20 J21 J22 J23 J24 J25 J26 J27 J28 J29 J30 J31 J32 J33 J34 J35 J36 J37 J38 J39 J40 K1 K2 K3 K4 K5 K6 K7 K8 K9 K10 K11 K12 K13 K14 K15 K16 K17 K18 K19 K20 K21 K22 K23 K24 K25 K26 K27 K28 K29 K30 K31 K32 K33 K34 K35 K36 K37 K38 K39 K40; J11 13; P1 3 4 5 6 7 8 9 10 11 12 13 14 15 16 17 18 19 20 21 22 23 24 25 26 27 28 29 47 48 49 50 51 52; P2 1 2 9 10 11 12 13 14 16 20 21 22 23 24 25 27 29 31 32 33 35 36 39 40 43 44 45 46 47 48 49 50 51 52 53 54 55 56 57 58 59 60

## Via types
v1: diameter 1.2, hole 0.3, Top to Bottom, 54 vias
v2: diameter 0.6, hole 0.3, Top to Bottom, 88 vias
v3: diameter 1.2, hole 0.3, Top to In2.Cu, 9 vias
